# Altium PCB PCB_power.PcbDoc (continued)
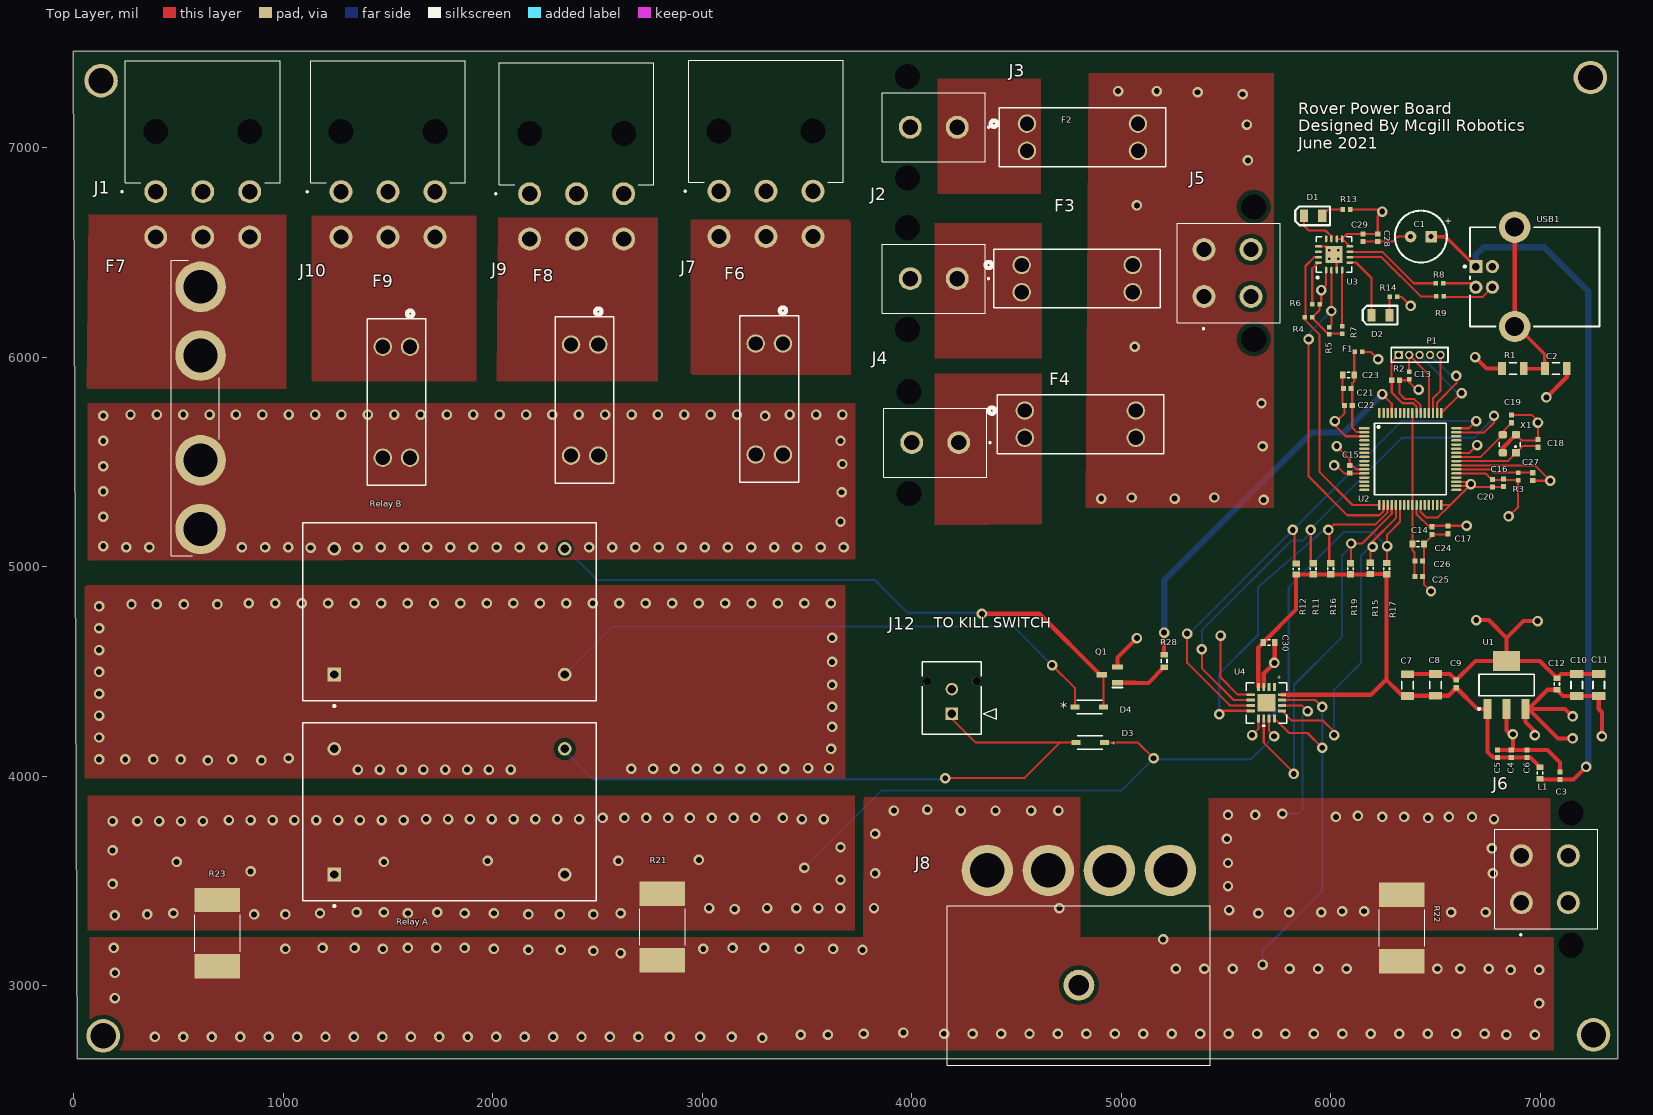
[diagram p0: Top Layer view]
## Part data (continued)
R21 R22 R23: "Res Metal Film 3921 1mOhm 1% 4W ±75ppm/°C Molded SMD Emboss T/R", Package=None, Availability=Unavailable, MP=PSR400ITQFH1L00, Price=None
R28: library part Res3, "Resistor", LatestRevisionDate=29-May-2009, LatestRevisionNote="IPC-7351 Footprint Added.", PackageDescription="Chip Resistor", PackageReference=J1-0603, Published=8-Jun-2000, Publisher="Altium Limited"
"Relay A" "Relay B": library part Relay-SPST, "Single-Pole Single-Throw Relay", LatestRevisionDate=17-Jul-2002, LatestRevisionNote="Re-released for DXP Platform.", PackageReference=MODULE4, Published=24-Mar-1999, Publisher="Altium Limited"
U1: "500 mA, Low Voltage, Low Quiescent Current LDO Regulator", Current - Limit (Min)=-, Current - Output=500mA, Manufacturer="Microchip Technology", Operating Temperature="-40°C ~ 125°C", Package / Case="TO-261-4, TO-261AA", Supplier Device Package=SOT-223-3, Supplier Part Number 1=MCP1825S-3302E/DB-ND, Voltage - Dropout (Typical)="0.21V @ 500mA", Voltage - Input="Up to 6V", Voltage - Output=3.3V, Category="Integrated Circuits (ICs)", ComponentLink1Description=http://www.microchip.com/mymicrochip/filehandler.aspx?ddocname=en531698, ComponentLink1URL=http://www.microchip.com/mymicrochip/filehandler.aspx?ddocname=en531698, Manufacturer Part Number=MCP1825S-3302E/DB, Mounting Type="Surface Mount", Number of Regulators=1, Packaging=Tube, Pricing 1="1=0.61, 10=0.51, 25=0.43, 100=0.39 (USD)", Regulator Topology="Positive Fixed", RoHS="RoHS Compliant", Stock 1=5172, Supplier 1=Digi-Key
U2: "Tiva TM4C123GH6PM Microcontroller ARM Cortex 80 MHz FPU", Supplier Part Number 1=296-35848-ND, Supplier 1=Digi-Key
U3: library part FT230XQ-R, "IC USB SERIAL BASIC UART 16QFN", Current - Supply=8mA, Manufacturer="FTDI, Future Technology Devices International Ltd", Operating Temperature="-40°C ~ 85°C", Package / Case="16-WQFN Exposed Pad", Supplier Device Package="16-QFN (4x4)", Supplier Part Number 1=768-1130-1-ND, Voltage - Supply="3.3 V ~ 5 V", Category="Integrated Circuits (ICs)", ComponentLink1Description=http://www.ftdichip.com/Support/Documents/DataSheets/ICs/DS_FT230X.pdf, ComponentLink1URL=http://www.ftdichip.com/Support/Documents/DataSheets/ICs/DS_FT230X.pdf, Function="Bridge, USB to UART", Interface=UART, Manufacturer Part Number=FT230XQ-R, Packaging="Cut Tape (CT)", Pricing 1="1=2.64, 25=2.5508, 100=2.4601, 250=2.21412, 500=1.994, 1000=1.89042, 2500=1.86128 (CAD)", Protocol=USB, RoHS="RoHS Compliant", Standards="USB 2.0", Stock 1=7567, Supplier 1=Digi-Key
USB1: library part "MOLEX 0670688010", Supplier Part Number 1=WM4064-ND, Supplier 1=Digi-Key
X1: library part 403C35E16M00000, "CRYSTAL 16MHZ 20PF SMD", ESR (Equivalent Series Resistance)="80 Ohm", Frequency=16MHz, Frequency Stability=±50ppm, Frequency Tolerance=±30ppm, Load Capacitance=20pF, Manufacturer="CTS-Frequency Controls", Operating Mode=Fundamental, Operating Temperature="-20°C ~ 70°C", Package / Case="4-SMD, No Lead (DFN, LCC)", Ratings=-, Supplier Part Number 1=CTX1293CT-ND, Category="Crystals and Oscillators", ComponentLink1Description=http://www.ctscorp.com/components/Datasheets/008-0288-0_F.pdf, ComponentLink1URL=http://www.ctscorp.com/components/Datasheets/008-0288-0_F.pdf, Height="0.031\" (0.80mm)", Manufacturer Part Number=403C35E16M00000, Mounting Type="Surface Mount", Packaging="Cut Tape (CT)", Pricing 1="1=1.07, 10=0.95, 50=0.8866, 100=0.7847, 500=0.7415, 750=0.70228, 1000=0.61988 (CAD)", RoHS="RoHS Compliant", Size / Dimension="0.126\" L x 0.098\" W (3.20mm x 2.50mm)", Stock 1=7029, Supplier 1=Digi-Key, Type="MHz Crystal"

## Free pads (board coordinates)
  round 160 hole 120: 3(130,7320) 3(140,2760) 3(7240,7335) 3(7255,2765)

## Via types
v1: diameter 50, hole 28, Top Layer to Bottom Layer, 384 vias
v2: diameter 50/50 (per signal layer), hole 28, Top Layer to Bottom Layer, 1 vias

## Nets (pads, with @x,y where several pads share a name; then routed paths per layer and width w, separated by ;. In a path a pad name is that pad's centre, name@x,y a point inside that pad or via, vN(x,y) a via of type N, cw(c..) or ccw(c..) an arc to the next point about the centre after c; other vN are vias at no path point)
12V: F2.3 F2.4 F3.3 F3.4 F4.3 F4.4 J5.1 J5.2
  other v1: 5680,5318.7 4905,5325 5255,5325 5050,5330 5445,5330 5675,5575 5670,5780 5065,6050 5075,6725 5605,6939.33 5600,7110 5580,7255 5365,7265 4985,7270 5170,7270
+3.3V: C10.1 C11.1 C12.1 C13.2 C14.2 C15.2 C16.2 C17.2 C20.2 C28.2 C29.2 F1.1 R2.1 R3.1 R4.2 R5.2 R6.2 R7.2 R13.2 R14.2 U1.3 U2.11 U2.26 U2.37 U2.42 U2.54 U3.1 U3.8 U3.9 U3.10 | length 3801.8
  Top Layer w10: v1(5955,6320.43) 5955,6259.25 R6.2 5947.72,6225.43 R4.2 5912.72,6187.16 5987.16,6112.71 R7.2 ; v1@5967.72,6334.21 5978.23,6344.72 U3.1 ; v1@6029.41,5557.08 v1(6029.41,5575.43) 6091.42,5513.42 C15.2 6103.38,5483.11 6121.69,5464.8 U2.11 ; U3.10 U3.9 U3.8 ; U3.9@6056.05,6566.09 6078.07,6588.11 C28.2 C29.2 6225,6673.38 v1(6246.62,6695) 6236.62,6705 R13.2 ; F1.1 6191.86,6025 v1(6226.86,5990) ; R14.2 6338.43,6288.15 v1(6381.57,6245) ; U2.26 6410.04,5250.39 6470,5190.43 6474.57,5195 v1(6649.41,5195) ; v1(6420,5844.96) 6410.04,5844.96 6375,5880 6375,5890 C13.2 6328.11,5826.89 6355,5800 6399.72,5800 6429.72,5770 U2.54 ; U2.37@6613.11,5444.33 6741.73,5444.33 6772.21,5413.85 6885,5413.85 6895,5403.85 6895,5285 v1(6850,5240) ; U2.42@6613.11,5542.75 6661.71,5542.75 v1(6699.39,5580.43)
  Top Layer w20: R2.1@6375,5890 R2.1 ; v1(6975,4195) 6975,4213.38 6930.55,4257.83 U1.3 U1.3@6944.17,4320.83 ; v1(7155,4180) 7085,4180 U1.3@6944.17,4320.83 ; v1(7155,4285) 7119.17,4320.83 U1.3@6944.17,4320.83 ; v1(7295,4190) 7295,4305 7280,4320 C11.1 C10.1 7109.61,4382.83 C12.1 7035.79,4412.44 U1.3@6944.17,4320.83
+5V: C4.2 C5.2 C6.2 C7.1 C8.1 C9.2 C30.2 L1.2 R11.1 R12.1 R15.1 R16.1 R17.1 R19.1 U1.1 U4.4 U4.16 | length 3138.6
  Top Layer w10: R17.1@6267.24,4965 R17.1@6269.49,4965
  Top Layer w20: U4.4 5654.89,4614.49 C30.2 5835,4794.6 R12.1 6095,4961.85 6186.62,4961.85 R15.1 6267.01,4965.23 R17.1@6267.24,4965 ; U4.16 6193.39,4388.39 6265.81,4460.81 ; R17.1 6267.24,4459.37 6338.23,4388.39 6359.84,4388.39 C7.1 6368.19,4383.26 C8.1 6561.38,4383.26 C9.2 6701.06,4320.83 U1.1 6749.45,4115.55 6776.31,4088.69 C5.2 C4.2 C6.2 6953.87,4088.69 L1.2
+A3.3V: C21.2 C22.2 C23.2 F1.2 U2.2 | length 424.3
  Top Layer w10: F1.2@6112.56,6017.56 6112.56,5960 6112.56,5885 6103.11,5875.55 C22.2 6103.11,5664.45 6125.59,5641.97 U2.2
"CPU Connector": F2.1 F2.2 J2.1
"CPU Controlled Switch": Q1.1 R28.2 | length 247.6
  Top Layer w20: Q1.1@4989.74,4445.74 5069.73,4445.74 5070,4445.47 5069.53,4445 5130,4445 R28.2
CRITICAL: R17.2 U2.22 U4.9 | length 1765.4
  Top Layer w10: v1(5625,4195.43) 5654.89,4225.32 U4.9@5654.89,4275.63 ; R17.2@6269.49,5016.81 v1@6269.49,5091.98 ; v1@6269.49,5107.67 6269.49,5152.56 6331.3,5214.37 U2.22
  Bottom Layer w10: v1(5625,4195.43) 5800,4370.43 5800,4901.71 ; 5800,4902 6063.29,5165.29 ; 6063.29,5165 6200.43,5165 6267.76,5097.67 v1(6269.49,5097.67)
DM: R8.1 USB1.2 | length 171.8
  Top Layer w10: R8.1 6674.96,6352.71 USB1.2 USB1.2@6699.39,6340.13
DP: R9.1 USB1.3 | length 251.3
  Top Layer w10: R9.1@6540,6288.15 6726.15,6288.15 USB1.3
GND: C1.2 C2.1 C3.1 C4.1 C5.1 C6.1 C7.2 C8.2 C9.1 C10.2 C11.2 C12.2 C13.1 C14.1 C15.1 C16.1 C17.1 C18.1 C19.1 C20.1 C21.1 C22.1 C23.1 C24.1 C25.1 C26.1 C27.1 C28.1 C29.1 C30.1 J1.1 J1.2 J1.3 J2.2 J3.2 J4.2 J5.3 J5.4 J6.3 J6.4 J7.1 J7.2 J7.3 J8.1 J8.2 J9.1 J9.2 J9.3 J10.1 J10.2 J10.3 J12.2 P1.1 Q1.2 R1.1 U1.2 U1.4 U2.3 U2.12 U2.27 U2.32 U2.34 U2.35 U2.39 U2.55 U3.3 U3.13 U3.17 U4.3 U4.5 USB1.4 X1.2 X1.4 | length 6620.1
  Top Layer w10: v1(5475,4670.43) 5475,4470.43 5556.61,4388.82 U4.5@5618.48,4388.82 ; U3.13 5978.23,6528.62 6016.61,6490.23 6029.41,6477.44 U3.3 ; v1(6016.61,5483.7) 6026.73,5483.7 6065.31,5445.12 U2.12 ; C23.1@6057.44,5925 C23.1 6057.44,5779.45 C22.1 6066.89,5732.32 6029.57,5695 v1(6020,5695) 6020,5674.44 6072.16,5622.28 U2.3 ; C28.1 C29.1 6296.89,6551.89 6320.43,6575.43 C1.2 ; C13.1@6290,5900.47 6290,5975.43 P1.1 ; C13.1 6291.89,5831.65 6343.38,5780.16 6395.32,5780.16 6410.04,5765.43 U2.55 ; U2.27 6429.72,5260.71 6455.43,5235 6511.3,5235 6570.83,5294.52 ; v1(6479.17,4882.24) 6479.17,4882.76 6445.47,4916.45 C24.1 6483.42,5145.62 C14.1 C17.1@6557.32,5154.21 ; U2.32 6570.83,5294.52 ; U2.34@6613.11,5385.27 6652.71,5385.27 v1@6660.9,5393.46 ; U2.35@6613.11,5404.96 6649.41,5404.96 v1@6660.9,5393.46 ; U2.39@6613.11,5483.7 6975,5483.7 v1(7048.7,5410) 6968.07,5410 C27.1@6965,5413.07 ; C16.1@6823.11,5380 C20.1 6683.7,5380 v1(6670,5393.7) ; C19.1@6860,5723.11 C19.1 6961.89,5723.11 v1@6990,5695 ; X1.2 6912.56,5602.6 6979.49,5602.6 6990,5613.11 6989.29,5613.82 v1(6989.29,5687.63) 7016.41,5687.63 ; 6570.83,5294.52 v1(6670,5393.7) ; v1@6660.9,5393.46 v1(6670,5393.7)
  Top Layer w20: Q1.2@4982.4,4527.4 4982.4,4565.97 v2(5075,4658.57) ; U4.3 5680.48,4489.25 v1(5731.66,4540.43) 5733.63,4542.4 C30.1 ; C7.2 6368.19,4487.59 C8.2 6570.51,4487.59 C9.1 6691.07,4549.17 U1.4 ; v1@6479.06,4882.13 v1(6479.17,4882.24) ; C17.1@6557.32,5154.21 C17.1 ; v1(6690,6000.43) 6745,5945.43 R1.1 ; v1(6695,4745) 6755,4745 6840,4660 ; C5.1 C4.1 ; X1.4 6822.01,5567.16 X1.2 ; C16.1@6823.11,5380 C16.1 ; U1.2 6840,4218.38 6858.38,4200 v1(6870,4200) 6870,4132.75 C4.1 ; v1(6988.38,4740) 6920,4740 6840,4660 ; v1(7030,5807.87) 7127.17,5905.04 C2.1 ; C3.1 7095,4064.91 7035,4124.91 C6.1 C4.1 ; C11.2 C10.2 7099.61,4487.17 C12.2 6998.39,4549.17 U1.4 ; U1.4 6840,4660
IN+1: J8.3 J8.4 R21.1 R22.1 R23.1 U4.12 U4.15 | length 1844.5
  Top Layer w10: U4.12@5731.66,4275.63 5801.86,4205.43 5889.57,4205.43 v1(5960,4135) ; U4.15@5768.08,4363.23 5926.77,4363.23 v1(5960,4330)
  Bottom Layer w10: v1(5675,3100) 5675,3165 5960,3450 5955,3455 5960,3460 v1(5960,4135) v1(5960,4330)
  other v1: 3286.71,2750 386.58,2755 522.37,2755 658.16,2755 793.95,2755 929.74,2755 1065.53,2755 1201.32,2755 1337.1,2755 1472.89,2755 1608.68,2755 1744.47,2755 1880.26,2755 2016.05,2755 2151.84,2755 2287.63,2755 2423.42,2755 2559.21,2755 2695,2755 2845,2755 2990,2755 3140,2755 3470,2765 3600,2765 6839.21,2765 6975,2765 3770,2770 4155,2770 4290.79,2770 4426.58,2770 4562.37,2770 4698.16,2770 4833.95,2770 4969.74,2770 5105.53,2770 5241.32,2770 5377.1,2770 5512.89,2770 5648.68,2770 5784.47,2770 5920.26,2770 6056.05,2770 6191.84,2770 6327.63,2770 6463.42,2770 6599.21,2770 6735,2770 3960,2775 6995,2915 195.83,2940 195.83,3060 6859.21,3075 6995,3075 5261.32,3080 5397.11,3080 5532.9,3080 5804.47,3080 5940.26,3080 6076.05,3080 6510,3080 6619.21,3080 6755,3080 2610,3155 2480,3165 2170,3170 2325,3170 3765,3170 1010,3175 1475,3175 2005,3175 3005,3175 3464.21,3175 3625,3175 190,3180 1187.37,3180 1340,3180 1594.74,3180 1730.53,3180 1865,3180 3145,3180 3295,3180 5200,3220 3820,3370 4705,3370 3825,3535 3825,3725 3915,3835 4235,3835 4400,3835 4570,3835 4700,3835 4075,3840
IN-1: "Relay A.1" "Relay A.3" D3.1 R21.2 R23.2 U4.11 | length 2865.9
  Top Layer w10: D3.1@4917.91,4160 4917.97,4159.95 5080.05,4159.95 v1(5155,4085) ; U4.11@5706.07,4275.63 5706.07,4214.36 v1(5730,4190.43)
  Bottom Layer w10: v1(3487.5,3562.5) 3855.43,3930.43 5000.43,3930.43 5150.43,4080.43 5155,4080.43 5620,4080.43 v1(5730,4190.43)
  other v1: 195,3335 350,3340 860,3340 1010,3340 2170,3340 2320,3340 2480,3340 475,3345 1175,3345 1594.74,3345 1865,3345 2005,3345 2610,3345 1350,3350 1479.71,3350 1735,3350 3154.41,3365 3032.69,3370 3309.41,3370 3449.84,3370 3554.12,3370 3658.41,3370 185,3485 3660,3505 844,3545 490,3590 1480,3590 1975,3595 2600,3595 2984.14,3600 185,3645 3660,3660 185,3785 302.86,3785 407.14,3785 511.43,3785 615.71,3785 740,3790 844,3790 948.29,3790 1052.57,3790 1156.86,3790 1261.14,3790 1365.43,3790 1469.71,3790 1574,3790 1681.89,3795 1786.18,3795 1890.47,3795 1994.75,3795 2099.04,3795 2203.32,3795 2307.61,3795 2411.89,3795 3475.43,3795 3579.71,3795 2524,3800 2628.29,3800 2732.57,3800 2836.86,3800 2941.14,3800 3045.43,3800 3149.71,3800 3254,3800 3385,3800
IN-2: J6.1 J6.2 R22.2 U4.14 | length 717
  Top Layer w10: U4.14@5768.08,4337.64 5862.36,4337.64 v1(5890,4310)
  Bottom Layer w10: v1(5770,3820) 5845,3820 5865,3840 5865,4285 v1(5890,4310)
  other v1: 5654.89,3345 5801.86,3350 5955,3350 6575,3350 6740,3350 6055,3355 6160,3355 5515,3360 5510,3475 6775,3535 5510,3585 6770,3655 5505,3700 6780,3795 6465,3800 6025,3805 6246.62,3805 6350.98,3805 6565,3805 6675,3805 6130,3810 5510,3815 5640,3815
NetD1_1: D1.1 R13.1 | length 109.1
  Top Layer w10: D1.1 5989.41,6705 R13.1@6056.05,6705
NetD2_1: D2.1 R14.1 | length 80.2
  Top Layer w10: D2.1 6281.62,6280 R14.1@6282.28,6280
NetD3_2: "Relay A.4" D3.2 J12.1 | length 3156.1
  Top Layer w10: v1(4160,3990) 4536.43,3990 4706.38,4159.95 ; J12.1@4188.11,4294.88 4188.11,4276.89 4305.05,4159.95 4706.38,4159.95 ; D3.2@4782.09,4160 4782.03,4159.95 4706.38,4159.95
  Bottom Layer w10: 2339.35,4125.65 2480,3985 v1@4160,3985
NetD4_2: "Relay B.4" D4.2 Q1.3 | length 2969.3
  Top Layer w10: Q1.3 4915.83,4474.91 D4.2
  Top Layer w20: v1(4335,4775) 4608.88,4775 Q1.3@4900.74,4483.14
  Bottom Layer w10: 2346.64,5088.36 2499.57,4935.43 3824.57,4935.43 3980,4780 v1@4345,4780
NetF4_1: F4.1 F4.2 J4.1
NetF6_1: F6.1 F6.2 J7.4 J7.5 J7.6
NetF7_1: F7.1 F7.2 J1.4 J1.5 J1.6
NetF8_1: F8.1 F8.2 J9.4 J9.5 J9.6
NetF9_1: F9.1 F9.2 J10.4 J10.5 J10.6
NetR6_1: R6.1 U3.16 | length 212.1
  Top Layer w10: R6.1 5912.28,6422.32 U3.16
NetR7_1: R7.1 U3.4 | length 275
  Top Layer w10: R7.1@6055,6140.43 U3.4
NetR8_2: R8.2 U3.7 | length 475.8
  Top Layer w10: U3.7 6246.62,6503.03 6396.93,6352.71 R8.2@6505,6352.71
NetR9_2: R9.2 U3.6 | length 490.6
  Top Layer w10: U3.6 6242.99,6477.44 6430,6290.43 R9.2
NetR28_1: R28.1 U2.61 | length 1874.4
  Top Layer w10: v1(6246.62,5823.54) 6291.93,5778.23 U2.61
  Top Layer w20: R28.1 v1(5205,4685)
  Bottom Layer w30: v1(5205,4685) 5205,4935 5910,5640 6063.08,5640 v1(6246.62,5823.54)
OSC0: C18.2 U2.40 X1.1 | length 406.6
  Top Layer w10: U2.40@6613.11,5503.38 6844.84,5503.38 X1.1 6918.35,5576.89 C18.2@6989.29,5576.89
OSC1: C19.2 U2.41 X1.3 | length 327.5
  Top Layer w10: U2.41@6613.11,5523.07 6714.92,5523.07 X1.3 6822.01,5644.69 C19.2
PV: R19.2 U2.20 U4.10 | length 1932.9
  Top Layer w10: U4.10@5680.48,4275.63 5680.48,4159.95 5824,4016.43 v1(5824,4010.43) ; R19.2@6097.88,5020 R19.2 6095,5020 6097.88,5022.88 v1(6097.88,5110.43) 6150.43,5110.43 6291.93,5251.93 U2.20
  Bottom Layer w10: v1(5824,4010.43) 5825,4011.43 5825,4435 6055,4665 6055,5055 6097.88,5097.88 v1(6097.88,5110.43)
RELAY_A: "Relay A.2" "Relay B.1" "Relay B.3" D4.1 | length 2755.9
  Top Layer w10: v1(4670,4530) 4780,4420 D4.1
  Bottom Layer w10: 2335,4500 2346.64,4488.36 2573.29,4715 3973.43,4715 4485,4715 v1(4670,4530)
  other v1: 1356,4031.31 1460.29,4031.31 1564.57,4031.31 1668.86,4031.31 1773.14,4031.31 1877.43,4031.31 1981.71,4031.31 2086,4031.31 2661,4035 2765.29,4035 2869.57,4035 2973.86,4035 3078.14,4035 3182.43,4035 3286.71,4035 3391,4035 3505,4037.82 3605.11,4037.82 640,4075 895,4075 120,4080 245,4080 380,4080 510,4080 755,4080 1025,4085 3615,4130 120,4184.29 3620,4235 120,4288.57 3620,4330 120,4392.86 3620,4435 120,4497.14 3620,4545 120,4601.43 3620,4660 120,4705.71 120,4810 275,4820 395,4820 525,4820 685,4820 835,4825 961.32,4825 1087.64,4825 1213.95,4825 1340.27,4825 1466.59,4825 1592.91,4825 1719.23,4825 1845.54,4825 1971.86,4825 2098.18,4825 2224.5,4825 2350.82,4825 2477.14,4825 2603.45,4825 2729.77,4825 2856.09,4825 2982.41,4825 3108.73,4825 3235.04,4825 3361.36,4825 3487.68,4825 3614,4825
RELAY_B: "Relay B.2" F6.3 F6.4 F7.3 F7.4 F8.3 F8.4 F9.3 F9.4
  other v1: 1130,5090 249.9,5092.67 360.39,5092.67 802.36,5092.67 912.85,5092.67 1023.34,5092.67 1354.82,5092.67 1465.31,5092.67 1575.8,5092.67 1686.29,5092.67 1796.78,5092.67 1907.28,5092.67 2017.77,5092.67 2128.26,5092.67 2238.75,5092.67 2459.73,5092.67 2570.22,5092.67 2680.72,5092.67 2791.21,5092.67 2901.7,5092.67 3012.19,5092.67 3122.68,5092.67 3233.17,5092.67 3343.67,5092.67 3454.16,5092.67 3564.65,5092.67 3675.14,5092.67 140,5097.67 3660,5215 140,5238.36 3665,5355 140,5358.9 140,5479.43 3669.41,5490 140,5599.97 3660,5600 3300,5720 140,5720.5 270.3,5725.5 396.2,5725.5 522.09,5725.5 647.98,5725.5 773.87,5725.5 899.77,5725.5 1025.66,5725.5 1151.55,5725.5 1277.44,5725.5 1403.34,5725.5 1529.23,5725.5 1655.12,5725.5 1781.02,5725.5 1906.91,5725.5 2032.8,5725.5 2158.69,5725.5 2284.59,5725.5 2410.48,5725.5 2536.37,5725.5 2662.27,5725.5 2788.16,5725.5 2914.05,5725.5 3039.94,5725.5 3165.84,5725.5 3417.62,5725.5 3543.52,5725.5 3669.41,5725.5
RESET: C27.2 R3.2 U2.38 | length 358
  Top Layer w10: U2.38@6613.11,5464.01 6765.28,5464.01 6780,5449.29 6858.11,5449.29 C27.2@6965,5449.29
"Science Connector": F3.1 F3.2 J3.1
SCL: R11.2 U2.47 U4.6 | length 2690.8
  Top Layer w10: v1(5385,4605.43) 5385,4515.43 5537.2,4363.23 U4.6@5618.48,4363.23 ; v1@5910,5158.39 v1@5905,5163.39 ; R11.2@5916.61,5020 5905,5031.61 v1@5905,5163.39 ; v1@5916.61,5165.29 5906.9,5175 v1(5905,5175) v1@5905,5163.39 ; U2.47@6613.11,5641.18 6733.54,5641.18 6780,5687.63 v1(6780,5720.43)
  Bottom Layer w10: v1(5385,4605.43) 5385,4695.43 5814.57,5125 5866.34,5125 5905,5163.66 v1(5905,5175) ; v1@5916.61,5193.33 6338.72,5615.43 6685,5615.43 6780,5710.43 v1(6780,5720.43)
SDA: R12.2 U2.48 U4.7 | length 2575.7
  Top Layer w10: v1(5315,4680.43) 5315,4540.43 5517.79,4337.64 U4.7@5618.48,4337.64 ; R12.2@5828.41,5022.55 v1@5828.41,5172.55 ; U2.48@6613.11,5660.86 6660.9,5660.86 v1(6695,5694.96)
  Bottom Layer w10: v1(5315,4680.43) 5325.43,4680.43 5820,5175 v1(5819,5175) 5819.57,5175 6339.53,5694.96 v1(6695,5694.96)
SHIELD: C2.2 R1.2 USB1.5 USB1.6 | length 800.1
  Top Layer w10: USB1.6@6915,6122.16 USB1.6@6915,6126.18
  Top Layer w16: USB1.6@6915,6122.16 7022.84,6014.33 C2.2 R1.2
  Top Layer w20: USB1.6 USB1.5
TC: R15.2 U2.21 U4.13 | length 1617.1
  Top Layer w10: U4.13@5768.08,4312.04 5815.13,4265 5963.66,4265 6016.61,4212.04 v1(6016.61,4195.43) ; R15.2 6190,5085 v1(6200,5095) 6200,5120 6311.61,5231.61 U2.21
  Bottom Layer w10: v1(6016.61,4195.43) 6016.61,4408.82 6015,4410.43 6145,4540.43 ; 6145,4540.72 6145,5052.67 6187.33,5095 v1(6200,5095)
TCK: P1.2 R2.2 U2.52 | length 395.5
  Top Layer w10: R2.2 P1.2 6469.09,5916.34 U2.52
TDI: P1.4 U2.50 | length 381.3
  Top Layer w10: U2.50 6508.46,5783.89 6600,5875.43 v1(6600,5910.43)
  Bottom Layer w10: P1.4 6575,5910.43 v1(6600,5910.43)
TDO: P1.3 U2.49 | length 411.6
  Top Layer w10: U2.49 6623.19,5828.54 v1(6625,5828.54)
  Bottom Layer w10: P1.3 6606.89,5828.54 v1(6625,5828.54)
TMS: P1.5 U2.51 | length 291.9
  Top Layer w10: U2.51 6488.78,5804.21 6525,5840.43 P1.5
"USB RX LED": D2.2 U3.5 | length 301.9
  Top Layer w10: U3.5 6121.14,6451.85 6195,6377.99 D2.2@6195,6210.23
"USB TX LED": D1.2 U3.11 | length 216.4
  Top Layer w10: D1.2 5872.8,6627.2 5895,6605 5975.43,6605 U3.11@6003.82,6576.61 ; U3.11 U3.11@6003.82,6576.61 ; U3.11@6003.82,6581.61 U3.11@6003.82,6576.61
USB_RX: R4.1 U2.17 U3.15 | length 1442.5
  Top Layer w10: R4.1 5877.28,6178.17 5947.72,6107.74 5947.72,5451.45 6104.65,5294.52 U2.17 ; R4.1@5880,6190.43 5880,6435.43 5922.01,6477.44 U3.15
USB_TX: R5.1 U2.18 U3.2 | length 1578.5
  Top Layer w10: v1(5895,6085.43) 5895,5430.43 6080,5245.43 6232.87,5245.43 6252.56,5265.11 U2.18 ; R5.1@5987.16,6148.15 5995.41,6148.15 6003.82,6156.56 v1(6003.82,6220.43) U3.2@6003.82,6403.07
  Bottom Layer w10: v1@5895,6080.43 v1(5895,6085.43) 5895,6111.61 v1(6003.82,6220.43)
VBUS: C1.1 C3.2 L1.1 USB1.1 | length 3488.9
  Top Layer w16: C1.1 6550.67,6575.43 USB1.1
  Top Layer w20: L1.1 7003.66,3983.78 C3.2 7160.09,3983.78 v1(7220,4043.69)
  Bottom Layer w30: USB1.1 6693.47,6488.47 6730,6525 7020,6525 7230,6315 7230,4053.69 v1(7220,4043.69)
VCORE: C24.2 C25.2 C26.2 U2.25 U2.56 | length 786.3
  Top Layer w10: U2.56 U2.25 C24.2 6390.35,5077.67 6400.47,5067.56 6400.47,4955.78 C25.2@6397.36,4952.67
WARNING: R16.2 U2.19 U4.8 | length 1784.7
  Top Layer w10: v1@5465,4292.04 v1(5468.39,4295.43) 5485,4312.04 U4.8@5618.48,4312.04 ; v1(5989.57,5175) 6015,5200.43 6213.3,5200.43 6272.24,5259.37 U2.19 ; R16.2@5993.56,5016.86 v1@5993.56,5165.29
  Bottom Layer w10: v1(5468.39,4295.43) 5468.39,4488.82 5653.29,4673.72 5653.29,4901.83 5806.68,5035.15 5958.92,5167.48 5966.45,5175 v1(5989.57,5175)
pads on no net: J1.MH1 J1.MH2 J2.MH1 J2.MH2 J3.MH1 J3.MH2 J4.MH1 J4.MH2 J5.MH1 J5.MH2 J6.MH1 J6.MH2 J7.MH1 J7.MH2 J8.MH1 J9.MH1 J9.MH2 J10.MH1 J10.MH2 J12.M1 J12.M2 U2.1 U2.4 U2.5 U2.6 U2.7 U2.8 U2.9 U2.10 U2.13 U2.14 U2.15 U2.16 U2.23 U2.24 U2.28 U2.29 U2.30 U2.31 U2.33 U2.36 U2.43 U2.44 U2.45 U2.46 U2.53 U2.57 U2.58 U2.59 U2.60 U2.62 U2.63 U2.64 U3.12 U3.14 U4.1 U4.2 U4.17

## Polygon pours and split planes (outlines as drawn)
NetF6_1 on Top Layer "Top Layer-NetF6_1" (solid, pour order 168): 2945,6655 3700,6655 3710,6645 3710,5915 2955,5915 2945,5925
NetF8_1 on Top Layer "Top Layer-NetF8_1" (solid, pour order 166): 2025,6665 2788.16,6665 2788.16,5883.16 2785,5880 2780,5885 2020,5885
NetF9_1 on Top Layer "Top Layer-NetF9_1" (solid, pour order 164): 1135,6675 1920,6675 1920,5885 1140,5885 1135,5890
NetF7_1 on Top Layer "Top Layer-NetF7_1" (solid, pour order 162): 70,6690 80,6680 1015,6680 1015,5850 61.7,5850
no net on Top Layer "Top Layer-No Net 3" (solid, pour order 160): 50,6935
RELAY_A on Top Layer "Top Layer-RELAY_A" (solid, pour order 158): 52.2,4900 62.2,4910 3682.2,4910 3682.2,3995 3687.2,3990 52.2,3990
IN+1 on Top Layer "Top Layer-No Net" (solid, pour order 154): 3770.24,3895.24 3775,3900 4805,3900 4805,3125 3767.75,3125
IN+1 on Top Layer "Top Layer-IN+1" (solid, pour order 104): 75,3230 7065,3230 7065,2685 7060,2690 75,2690
IN-2 on Top Layer "Top Layer-IN-2" (solid, pour order 128): 5417.83,3895 7048.7,3895 7048.7,3265 5417.83,3265
IN-1 on Top Layer "Top Layer-IN-1" (solid, pour order 120): 65,3905 3728.68,3905 3728.68,3265 65,3265
RELAY_B on Top Layer "Top Layer-RELAY_B" (solid, pour order 132): 3730,5035 3730,5780 65,5780 65,5027.25
NetF4_1 on Top Layer "Top Layer-No Net 2" (solid, pour order 142): 4110,5196.77 4110,5920 4620,5920 4620,5201.35
"CPU Connector" on Top Layer "Top Layer-CPU Connector" (solid, pour order 152): 4110,6640 4620,6640 4620,5995 4110,5995
12V on Top Layer "Top Layer-12V" (solid, pour order 148): 4845.86,7355 5728.16,7355 5728.16,5280 4831.03,5280
"Science Connector" on Top Layer "Top Layer-Science Connector" (solid, pour order 150): 4125,7330 4615,7330 4615,6780 4125,6780
no net on Top Layer "Top Layer-No Net 7" (solid, pour order 134): 1813.29,5815
no net on Top Layer "Top Layer-No Net 10" (solid, pour order 130): 3266.73,5750.5
no net on Top Layer "Top Layer-No Net 11" (solid, pour order 124): 45,4139
no net on Top Layer "Top Layer-No Net 12" (solid, pour order 122): 75,5265.02
no net on Top Layer "Top Layer-No Net 13" (solid, pour order 118): 40,4309
no net on Top Layer "Top Layer-No Net 14" (hatched Horizontal grid 20 track 8, pour order 106): 750,3865
no net on Top Layer "Top Layer-No Net 15" (solid, pour order 102): 680,3508.83
no net on Top Layer "Top Layer-No Net 9" (solid, pour order 54): 1845,3508.83
no net on Top Layer "Top Layer-No Net 8" (solid, pour order 40): 10370,8030.87
no net on Top Layer "Top Layer-No Net 4" (solid, pour order 26): 2045,3508.83
no net on Top Layer "Top Layer-No Net 1" (solid, pour order 4): -10,5015
IN-1 on PWR Plane (split plane): 3734.92,3905 3734.92,3260.08 32.75,3260.08 30.39,3914.92 679.95,3914.92
IN+1 on PWR Plane (split plane): 4724.92,3252.73 4725.23,3248.81 4726.15,3244.98 4727.66,3241.35 4729.71,3237.99 4732.27,3235 4735.26,3232.44 4738.62,3230.39 4742.25,3228.88 4746.08,3227.96 4750,3227.66 7017.73,3227.66 7021.66,3227.96 7025.48,3228.88 7029.12,3230.39 7032.47,3232.44 7035.46,3235 7075.39,3274.92 7349.9,3274.92 7349.9,2670.1 34.88,2670.1 32.93,3209.92 3750,3209.92 3753.92,3210.23 3757.75,3211.15 3761.38,3212.66 3764.74,3214.71 3767.73,3217.27 3777.73,3227.27 3780.29,3230.26 3782.34,3233.62 3783.85,3237.25 3784.77,3241.08 3785.08,3245 3785.08,3904.92 4724.92,3904.92
NetF7_1 on PWR Plane (split plane): 1049.92,5845.08 23.43,5845.08 17.68,7439.9 1049.92,7439.9
RELAY_A on PWR Plane (split plane): 3736.99,3955.15 680.08,3965.08 680.04,3965.07 680,3965.08 30.21,3965.08 26.69,4940.59 795.09,4950.35 3736.99,4950.35
RELAY_B on PWR Plane (split plane): 3736.99,5427.5 3736.99,5000.51 794.93,5000.51 794.77,5000.49 794.61,5000.51 26.51,4990.75 23.61,5794.92 3736.99,5794.92
12V on PWR Plane (split plane): 5739.92,5315 5739.92,5273.08 5739.52,5272.73 5467.29,5000.51 3787.15,5000.51 3787.15,5427.5 3787.15,5820 3786.84,5823.92 3785.92,5827.75 3784.41,5831.38 3783.6,5832.7 3783.6,7439.9 5739.92,7439.9
IN-2 on PWR Plane (split plane): 7349.9,3325.08 7065,3325.08 7061.08,3324.77 7057.25,3323.85 7053.62,3322.34 7050.26,3320.29 7047.27,3317.73 7007.35,3277.81 4775.08,3277.81 4775.08,3904.92 7349.9,3904.92
+3.3V on PWR Plane (split plane): 7349.9,3955.08 3787.15,3955.08 3787.15,4950.35 5477.68,4950.35 5481.6,4950.66 5485.43,4951.58 5489.07,4953.09 5492.42,4955.14 5495.41,4957.7 5767.86,5230.15 5768.92,5230.23 5772.75,5231.15 5776.39,5232.66 5779.74,5234.71 5782.73,5237.27 5785.29,5240.26 5787.34,5243.62 5788.85,5247.25 5789.77,5251.08 5790.08,5255 5790.08,5315 5790.08,7431.29 6283.63,7431.29 6287.56,7431.6 6291.38,7432.52 6295.02,7434.02 6298.37,7436.08 6301.37,7438.63 6302.45,7439.9 7349.9,7439.9
NetF9_1 on PWR Plane (split plane): 1939.92,5845.08 1100.08,5845.08 1100.08,7439.9 1939.92,7439.9
NetF8_1 on PWR Plane (split plane): 2829.82,5845.08 1990.08,5845.08 1990.08,7439.9 2829.82,7439.9
NetF6_1 on PWR Plane (split plane): 3733.45,5845.08 2879.98,5845.08 2879.98,7439.9 3733.45,7439.9
GND on GND Plane (split plane): 7349.9,2670.1 34.88,2670.1 17.68,7439.9 7349.9,7439.9

## Other copper
Top Layer:
  region: 2802.52,3508.83
  region: 114.41,5117.67
PWR Plane (plane layer: these items are gaps in the copper):
  lines w50: 5,3940 680,3940 3760,3930 ; 7.75,4965.43 794.93,4975.43 5477.68,4975.43 5757.25,5255 ; 8.41,5820 682.01,5820 854.57,5820 3762.07,5820 3762.07,5427.5 3762.07,3930 7370,3930 ; 15,3235 700,3235 ; 690,3235 3750,3235 3760,3245 3760,3930 ; 1075,5825 1075,7460 ; 1965,5825 1965,7460 ; 2854.9,5825 2854.9,7460 ; 3758.53,5825.43 3758.53,7455 ; 3900,3930 3760,3930 ; 4750,3930 4750,3252.73 7017.73,3252.73 7065,3300 7370,3300 ; 5765,5255 5765,5315 5765,7454.77 5766.6,7456.37 6283.63,7456.37 ; 7375,3850.43 7375,4020.43

## Silkscreen, mask and mechanical layers (free items; w line width, h text height)
Top Overlay:
  text "Rover Power Board / Designed By Mcgill Robotics / June 2021" at 5845,6995 h55
Mechanical 1:
  lines w10: 675,2650 690,2650 7370,2650 7370,7460 675,7460

## Text inside footprints (layer, text, board x,y; h text height)
C1: Top Overlay "+" at 6545,6635 h30
D3: Top Overlay "*" at 4975,4175 h30 r180; Mechanical 7 "0.112in/2.85mm" at 4939.59,4331.57 h30 r180; Mechanical 7 "0.053in/1.35mm" at 4575.98,4172.5 h30 r180; Mechanical 7 "0.022in/0.55mm" at 4656.3,4172.5 h30 r180; Mechanical 7 "0.016in/0.4mm" at 5001.25,4079.17 h30 r180; Mechanical 7 "0.152in/3.85mm" at 4939.59,3979.17 h30 r180; Mechanical 7 "Alt 2 Padstyle: OX90Y60D30P" at 5189.59,4646.83 h30 r180; Mechanical 7 "Alt 1 Padstyle: OX60Y90D30P" at 5189.59,4571.83 h30 r180; Mechanical 7 "Default Padstyle: RX43p75Y23p65D0T" at 5277.09,4496.83 h30 r180; Mechanical 13 "*" at 4910.69,4185 h30 r180
D4: Top Overlay "*" at 4710,4305 h50; Mechanical 7 "Default Padstyle: RX43p75Y23p65D0T" at 4422.91,3993.17 h50; Mechanical 7 "Alt 1 Padstyle: OX60Y90D30P" at 4510.41,3918.17 h50; Mechanical 7 "Alt 2 Padstyle: OX90Y60D30P" at 4510.41,3843.17 h50; Mechanical 7 "0.152in/3.85mm" at 4760.41,4510.83 h25; Mechanical 7 "0.016in/0.4mm" at 4698.75,4410.83 h25; Mechanical 7 "0.022in/0.55mm" at 5043.7,4317.5 h25; Mechanical 7 "0.053in/1.35mm" at 5124.02,4317.5 h25; Mechanical 7 "0.112in/2.85mm" at 4760.41,4158.43 h25; Mechanical 13 "*" at 4789.31,4305 h50
F2: Mechanical 7 "Default Padstyle: OX88Y88D68P" at 4427.5,6080 h50; Mechanical 7 "1st Mtg Padstyle: RX110Y80D50P" at 4415,6005 h50; Mechanical 7 "2nd Mtg Padstyle: EX70Y70D70P" at 4427.5,5930 h50; Mechanical 7 "3rd Mtg Padstyle: EX70Y70D70P" at 4427.5,5855 h50; Mechanical 7 "Left Mtg Padstyle: EX60Y60D30P" at 4415,5780 h50; Mechanical 7 "Right Mtg Padstyle: EX60Y60D30P" at 4402.5,5705 h50; Mechanical 7 "Alt Padstyle 1: OX60Y90D30P" at 4452.5,5630 h50; Mechanical 7 "Alt Padstyle 2: OX90Y60D30P" at 4452.5,5555 h50; Mechanical 7 "0.53in/13.462mm" at 4696.25,6615 h25; Mechanical 7 "0.785in/19.939mm" at 4690,6940 h25; Mechanical 7 "0.13in/3.302mm" at 5302.5,6362.5 h25; Mechanical 7 "0.135in/3.429mm" at 3830,6430 h25; Mechanical 7 "0.27in/6.858mm" at 3892.5,6362.5 h25
F3: Mechanical 7 "Default Padstyle: OX88Y88D68P" at 4452.5,6755 h50; Mechanical 7 "1st Mtg Padstyle: RX110Y80D50P" at 4440,6680 h50; Mechanical 7 "2nd Mtg Padstyle: EX70Y70D70P" at 4452.5,6605 h50; Mechanical 7 "3rd Mtg Padstyle: EX70Y70D70P" at 4452.5,6530 h50; Mechanical 7 "Left Mtg Padstyle: EX60Y60D30P" at 4440,6455 h50; Mechanical 7 "Right Mtg Padstyle: EX60Y60D30P" at 4427.5,6380 h50; Mechanical 7 "Alt Padstyle 1: OX60Y90D30P" at 4477.5,6305 h50; Mechanical 7 "Alt Padstyle 2: OX90Y60D30P" at 4477.5,6230 h50; Mechanical 7 "0.53in/13.462mm" at 4721.25,7290 h25; Mechanical 7 "0.785in/19.939mm" at 4715,7615 h25; Mechanical 7 "0.13in/3.302mm" at 5327.5,7037.5 h25; Mechanical 7 "0.135in/3.429mm" at 3855,7105 h25; Mechanical 7 "0.27in/6.858mm" at 3917.5,7037.5 h25
F4: Mechanical 7 "Default Padstyle: OX88Y88D68P" at 4442.5,5385 h50; Mechanical 7 "1st Mtg Padstyle: RX110Y80D50P" at 4430,5310 h50; Mechanical 7 "2nd Mtg Padstyle: EX70Y70D70P" at 4442.5,5235 h50; Mechanical 7 "3rd Mtg Padstyle: EX70Y70D70P" at 4442.5,5160 h50; Mechanical 7 "Left Mtg Padstyle: EX60Y60D30P" at 4430,5085 h50; Mechanical 7 "Right Mtg Padstyle: EX60Y60D30P" at 4417.5,5010 h50; Mechanical 7 "Alt Padstyle 1: OX60Y90D30P" at 4467.5,4935 h50; Mechanical 7 "Alt Padstyle 2: OX90Y60D30P" at 4467.5,4860 h50; Mechanical 7 "0.53in/13.462mm" at 4711.25,5920 h25; Mechanical 7 "0.785in/19.939mm" at 4705,6245 h25; Mechanical 7 "0.13in/3.302mm" at 5317.5,5667.5 h25; Mechanical 7 "0.135in/3.429mm" at 3845,5735 h25; Mechanical 7 "0.27in/6.858mm" at 3907.5,5667.5 h25
F6: Mechanical 7 "0.27in/6.858mm" at 3307.5,6697.5 h25 r270; Mechanical 7 "0.135in/3.429mm" at 3375,6760 h25 r270; Mechanical 7 "0.13in/3.302mm" at 3307.5,5287.5 h25 r270; Mechanical 7 "0.785in/19.939mm" at 3885,5900 h25 r270; Mechanical 7 "0.53in/13.462mm" at 3560,5893.75 h25 r270; Mechanical 7 "Alt Padstyle 2: OX90Y60D30P" at 2500,6137.5 h50 r270; Mechanical 7 "Alt Padstyle 1: OX60Y90D30P" at 2575,6137.5 h50 r270; Mechanical 7 "Right Mtg Padstyle: EX60Y60D30P" at 2650,6187.5 h50 r270; Mechanical 7 "Left Mtg Padstyle: EX60Y60D30P" at 2725,6175 h50 r270; Mechanical 7 "3rd Mtg Padstyle: EX70Y70D70P" at 2800,6162.5 h50 r270; Mechanical 7 "2nd Mtg Padstyle: EX70Y70D70P" at 2875,6162.5 h50 r270; Mechanical 7 "1st Mtg Padstyle: RX110Y80D50P" at 2950,6175 h50 r270; Mechanical 7 "Default Padstyle: OX88Y88D68P" at 3025,6162.5 h50 r270
F8: Mechanical 7 "0.27in/6.858mm" at 2426.08,6692.5 h25 r270; Mechanical 7 "0.135in/3.429mm" at 2493.58,6755 h25 r270; Mechanical 7 "0.13in/3.302mm" at 2426.08,5282.5 h25 r270; Mechanical 7 "0.785in/19.939mm" at 3003.58,5895 h25 r270; Mechanical 7 "0.53in/13.462mm" at 2678.58,5888.75 h25 r270; Mechanical 7 "Alt Padstyle 2: OX90Y60D30P" at 1618.58,6132.5 h50 r270; Mechanical 7 "Alt Padstyle 1: OX60Y90D30P" at 1693.58,6132.5 h50 r270; Mechanical 7 "Right Mtg Padstyle: EX60Y60D30P" at 1768.58,6182.5 h50 r270; Mechanical 7 "Left Mtg Padstyle: EX60Y60D30P" at 1843.58,6170 h50 r270; Mechanical 7 "3rd Mtg Padstyle: EX70Y70D70P" at 1918.58,6157.5 h50 r270; Mechanical 7 "2nd Mtg Padstyle: EX70Y70D70P" at 1993.58,6157.5 h50 r270; Mechanical 7 "1st Mtg Padstyle: RX110Y80D50P" at 2068.58,6170 h50 r270; Mechanical 7 "Default Padstyle: OX88Y88D68P" at 2143.58,6157.5 h50 r270
F9: Mechanical 7 "0.27in/6.858mm" at 1527.5,6682.5 h25 r270; Mechanical 7 "0.135in/3.429mm" at 1595,6745 h25 r270; Mechanical 7 "0.13in/3.302mm" at 1527.5,5272.5 h25 r270; Mechanical 7 "0.785in/19.939mm" at 2105,5885 h25 r270; Mechanical 7 "0.53in/13.462mm" at 1780,5878.75 h25 r270; Mechanical 7 "Alt Padstyle 2: OX90Y60D30P" at 720,6122.5 h50 r270; Mechanical 7 "Alt Padstyle 1: OX60Y90D30P" at 795,6122.5 h50 r270; Mechanical 7 "Right Mtg Padstyle: EX60Y60D30P" at 870,6172.5 h50 r270; Mechanical 7 "Left Mtg Padstyle: EX60Y60D30P" at 945,6160 h50 r270; Mechanical 7 "3rd Mtg Padstyle: EX70Y70D70P" at 1020,6147.5 h50 r270; Mechanical 7 "2nd Mtg Padstyle: EX70Y70D70P" at 1095,6147.5 h50 r270; Mechanical 7 "1st Mtg Padstyle: RX110Y80D50P" at 1170,6160 h50 r270; Mechanical 7 "Default Padstyle: OX88Y88D68P" at 1245,6147.5 h50 r270
J12: Top Overlay "TO KILL SWITCH" at 4105,4707.5 h50; Mechanical 3 "NPTH_DRILL_SIZE:_1.02_MM,_TOL:_+0.05/-0.05" at 3666.89,3772.78 h50; Mechanical 3 "PTH_DRILL_SIZE:_1.02_MM,_TOL:_+0.05/-0.05" at 3679.39,3872.78 h50; Mechanical 10 "NPTH_DRILL_SIZE:_1.02_MM,_TOL:_+0.05/-0.05" at 3666.89,3772.78 h50; Mechanical 10 "PTH_DRILL_SIZE:_1.02_MM,_TOL:_+0.05/-0.05" at 3679.39,3872.78 h50
U4: Top Overlay "*" at 5734.46,4481.99 h30 r270; Mechanical 13 "*" at 5719.46,4407.62 h30 r270